# Altium PCB BEAGLEPLAYV020_220915.brd.PcbDoc (part 1 of 12) (continued)
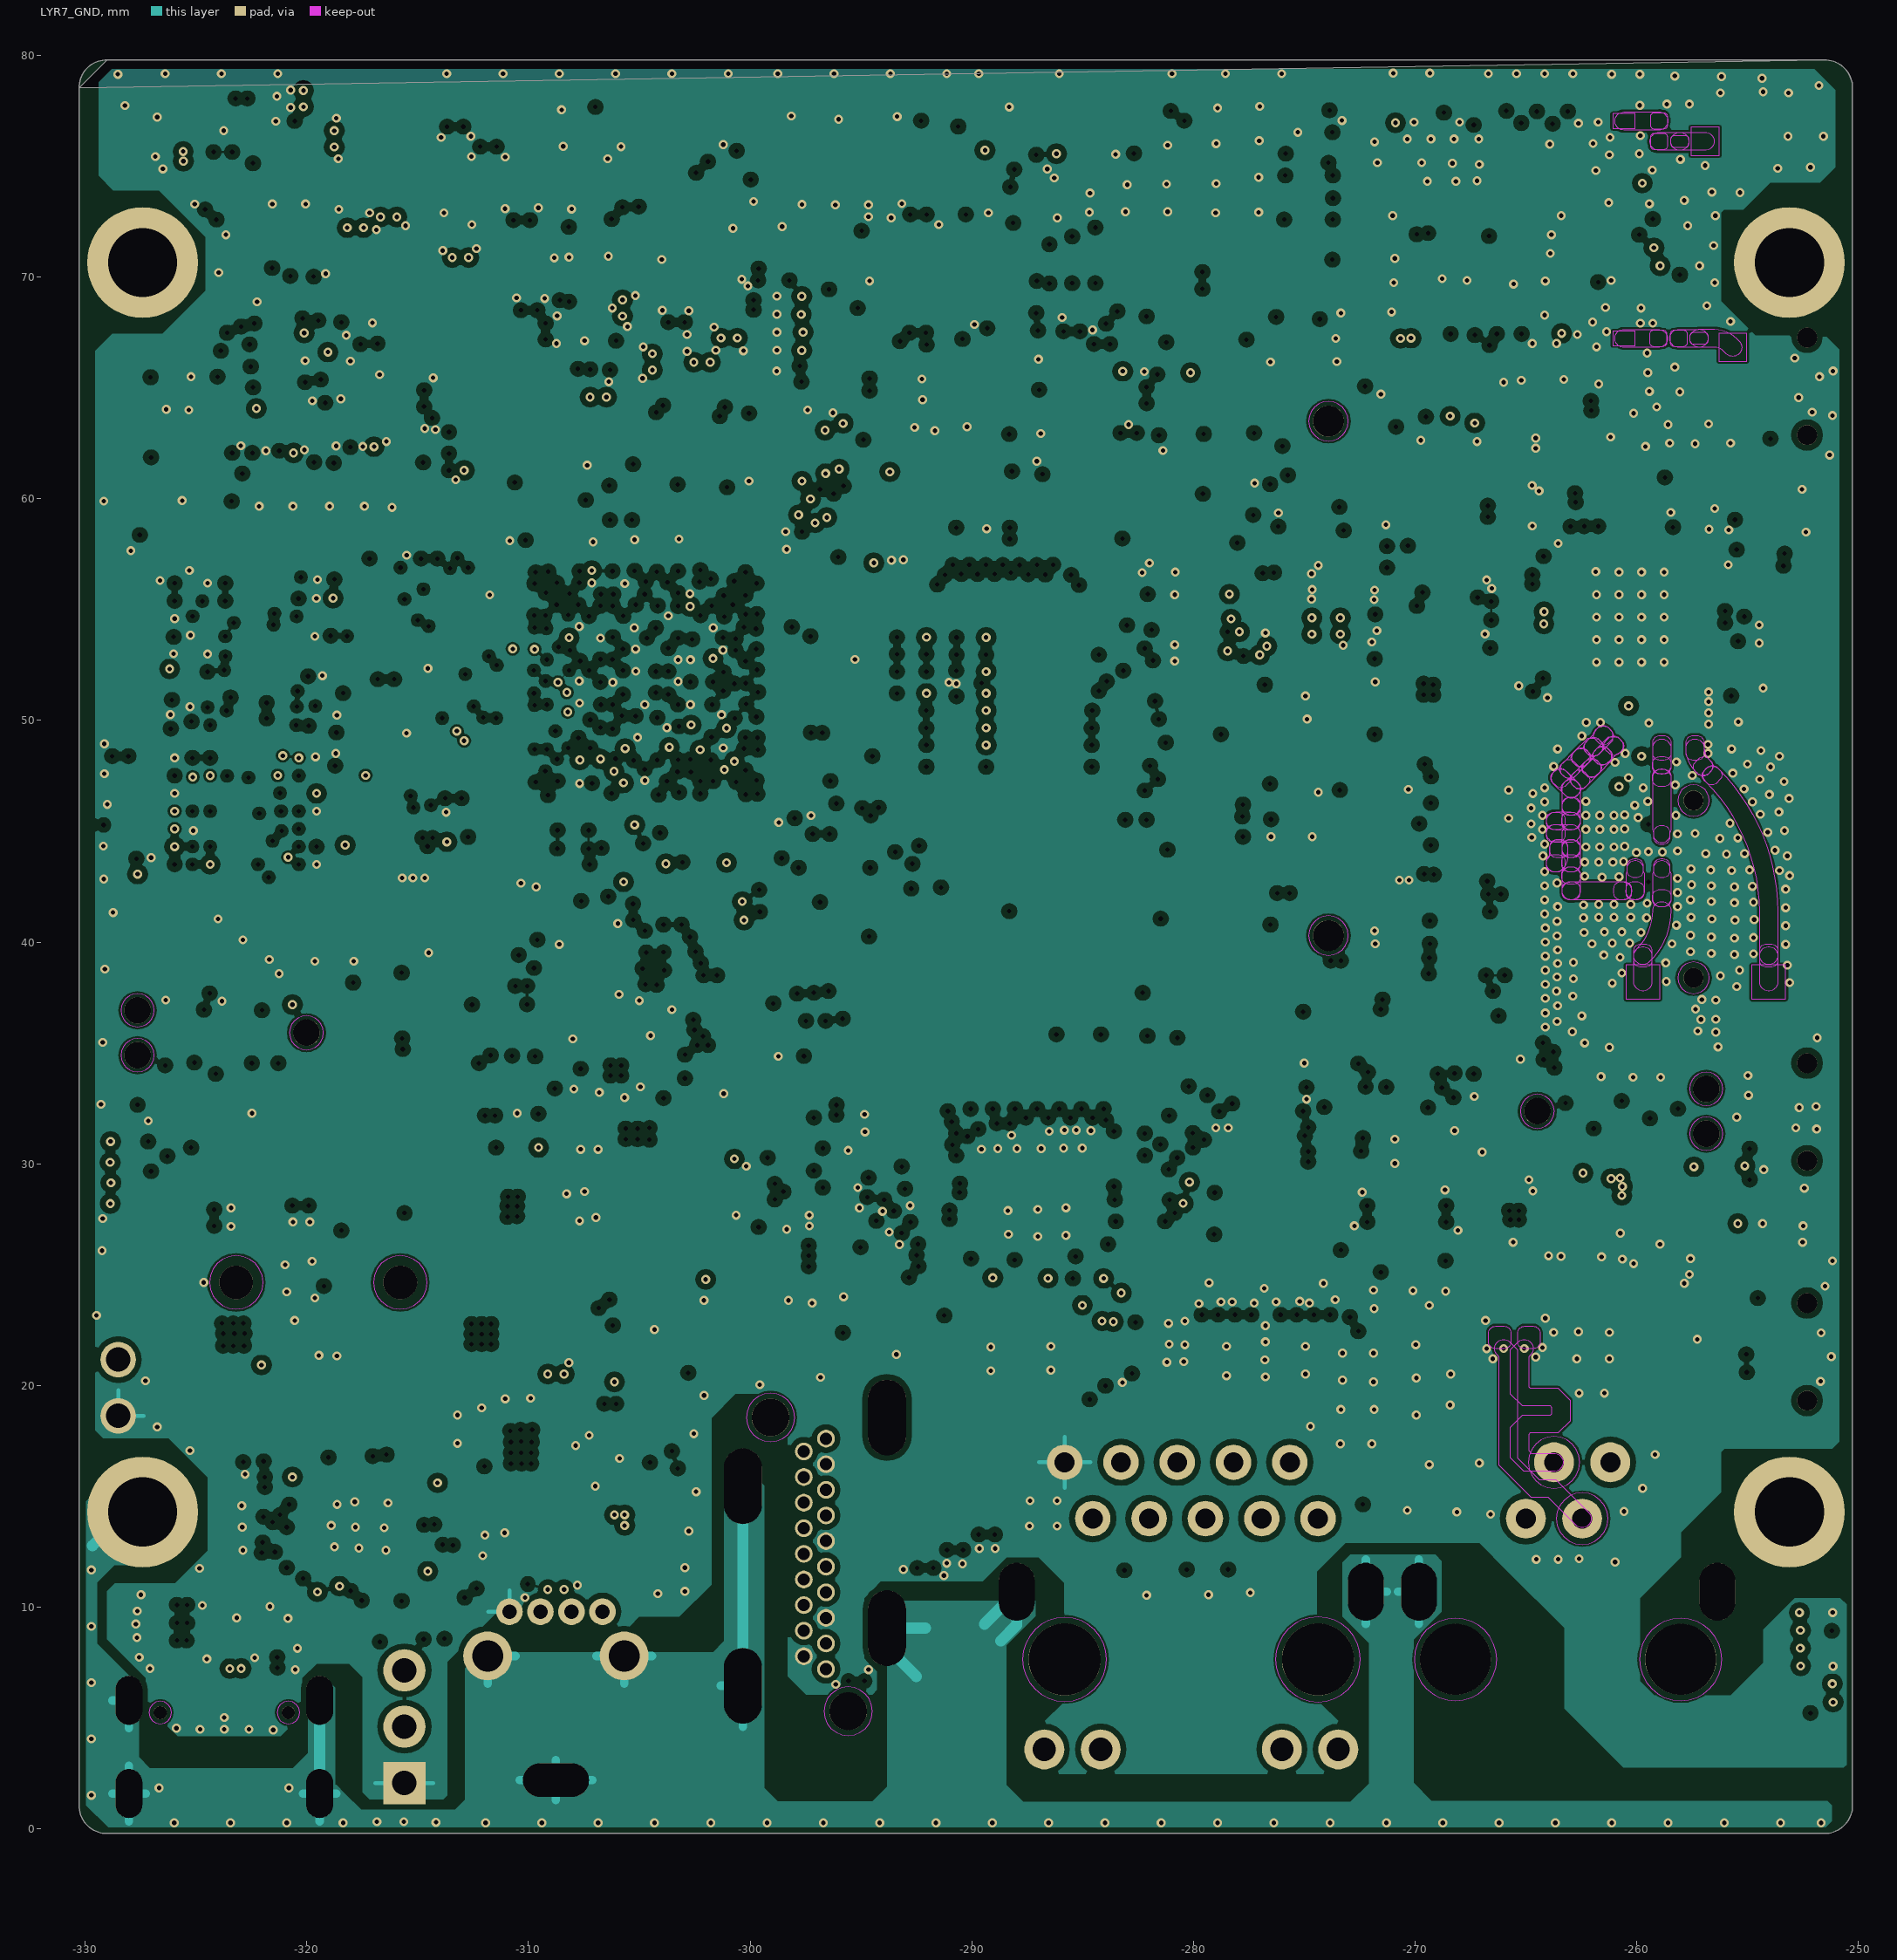
[diagram p7: LYR7_GND]

## Layer stack, top to bottom
Top Solder: solder mask 0.0102, Solder Resist, Dk 3.5
TOP: signal copper 0.0356
Dielectric 1: core 0.0762, FR-4, Dk 4.2
LYR2_GND: signal copper 0.0356
Dielectric2: core 0.0762, FR-4, Dk 4.2
LYR3: signal copper 0.0178
Dielectric3: core 0.4501, FR-4, Dk 4.2
LAY4_PWR1: signal copper 0.0305
Dielectric4: core 0.1016, FR-4, Dk 4.2
LAY5_PWR2: signal copper 0.0305
Dielectric5: core 0.4501, FR-4, Dk 4.2
LAY6: signal copper 0.0178
Dielectric6: core 0.0762, FR-4, Dk 4.2
LYR7_GND: signal copper 0.0356
Dielectric7: core 0.0762, FR-4, Dk 4.2
BOTTOM: signal copper 0.0356
Bottom Solder: solder mask 0.0102, Solder Resist, Dk 3.5

## Board outline
-251.544,79.799 -329.006,79.799 ccw(c-329.006,78.529) -329.006,79.799 -251.544,79.799 cw(c-251.544,78.529) -250.274,78.529 -250.274,1.067 cw(c-251.544,1.067) -251.544,-0.203 -329.006,-0.203 cw(c-329.006,1.067) -330.276,1.067 -330.276,78.529

## Design rules (kind name [scope] priority, off if disabled: settings)
Clearance "Clearance for 9 On Layer LYR7_GND" [OnLayer('LYR7_GND') And (InNetClass('DDR_ADDR') Or InNetClass('DDR_DATA')) vs IsArc Or IsTrack Or IsPad Or IsThruPin Or IsThruVia Or IsFill Or InPolygon Or IsRegion] p1: gap=0.254 ignorepadtopadclearanceinfootprint=FALSE except(0: Arc-Hole Track-Hole SMDPad-Hole THPad-Hole Via-Hole Fill-Hole Poly-Hole Region-Hole Text-Hole; 0.102: Arc-SMDPad Track-SMDPad)
Clearance "Clearance for 9 On Layer LAY6" [OnLayer('LAY6') And (InNetClass('DDR_ADDR') Or InNetClass('DDR_DATA')) vs IsArc Or IsTrack Or IsPad Or IsThruPin Or IsThruVia Or IsFill Or InPolygon Or IsRegion] p2: gap=0.254 ignorepadtopadclearanceinfootprint=FALSE except(0: Arc-Hole Track-Hole SMDPad-Hole THPad-Hole Via-Hole Fill-Hole Poly-Hole Region-Hole Text-Hole; 0.127: Arc-SMDPad Track-SMDPad)
Clearance "Clearance for 9 On Layer LAY5_PWR2" [OnLayer('LAY5_PWR2') And (InNetClass('DDR_ADDR') Or InNetClass('DDR_DATA')) vs IsArc Or IsTrack Or IsPad Or IsThruPin Or IsThruVia Or IsFill Or InPolygon Or IsRegion] p3: gap=0.254 ignorepadtopadclearanceinfootprint=FALSE except(0: Arc-Hole Track-Hole SMDPad-Hole THPad-Hole Via-Hole Fill-Hole Poly-Hole Region-Hole Text-Hole; 0.127: Arc-SMDPad Track-SMDPad)
Clearance "Clearance for 9 On Layer LAY4_PWR1" [OnLayer('LAY4_PWR1') And (InNetClass('DDR_ADDR') Or InNetClass('DDR_DATA')) vs IsArc Or IsTrack Or IsPad Or IsThruPin Or IsThruVia Or IsFill Or InPolygon Or IsRegion] p4: gap=0.254 ignorepadtopadclearanceinfootprint=FALSE except(0: Arc-Hole Track-Hole SMDPad-Hole THPad-Hole Via-Hole Fill-Hole Poly-Hole Region-Hole Text-Hole; 0.127: Arc-SMDPad Track-SMDPad)
Clearance "Clearance for 9 On Layer LYR3" [OnLayer('LYR3') And (InNetClass('DDR_ADDR') Or InNetClass('DDR_DATA')) vs IsArc Or IsTrack Or IsPad Or IsThruPin Or IsThruVia Or IsFill Or InPolygon Or IsRegion] p5: gap=0.254 ignorepadtopadclearanceinfootprint=FALSE except(0: Arc-Hole Track-Hole SMDPad-Hole THPad-Hole Via-Hole Fill-Hole Poly-Hole Region-Hole Text-Hole; 0.127: Arc-SMDPad Track-SMDPad)
Clearance "Clearance for 9 On Layer LYR2_GND" [OnLayer('LYR2_GND') And (InNetClass('DDR_ADDR') Or InNetClass('DDR_DATA')) vs IsArc Or IsTrack Or IsPad Or IsThruPin Or IsThruVia Or IsFill Or InPolygon Or IsRegion] p6: gap=0.254 ignorepadtopadclearanceinfootprint=FALSE except(0: Arc-Hole Track-Hole SMDPad-Hole THPad-Hole Via-Hole Fill-Hole Poly-Hole Region-Hole Text-Hole; 0.127: Arc-SMDPad Track-SMDPad)
Clearance "Clearance for 9 On Layer BOTTOM" [OnLayer('BOTTOM') And (InNetClass('DDR_ADDR') Or InNetClass('DDR_DATA')) vs IsArc Or IsTrack Or IsPad Or IsThruPin Or IsThruVia Or IsFill Or InPolygon Or IsRegion] p7: gap=0.254 ignorepadtopadclearanceinfootprint=FALSE except(0: Arc-Hole Track-Hole SMDPad-Hole THPad-Hole Via-Hole Fill-Hole Poly-Hole Region-Hole Text-Hole; 0.127: Arc-SMDPad Track-SMDPad)
Clearance "Clearance for 9 On Layer TOP" [OnLayer('TOP') And (InNetClass('DDR_ADDR') Or InNetClass('DDR_DATA')) vs IsArc Or IsTrack Or IsPad Or IsThruPin Or IsThruVia Or IsFill Or InPolygon Or IsRegion] p8: gap=0.254 ignorepadtopadclearanceinfootprint=FALSE except(0: Arc-Hole Track-Hole SMDPad-Hole THPad-Hole Via-Hole Fill-Hole Poly-Hole Region-Hole Text-Hole; 0.127: Arc-SMDPad Track-SMDPad)
Clearance "Clearance for 9" [InNetClass('DDR_ADDR') Or InNetClass('DDR_DATA') vs IsArc Or IsTrack Or IsPad Or IsThruPin Or IsThruVia Or IsFill Or InPolygon Or IsRegion] p9: gap=0.254 ignorepadtopadclearanceinfootprint=FALSE except(0: Text-Hole; 0.089: Arc-Via Track-Via; 0.102: SMDPad-SMDPad SMDPad-THPad SMDPad-Via SMDPad-Fill SMDPad-Poly SMDPad-Region THPad-THPad THPad-Via THPad-Fill THPad-Poly THPad-Region Via-Via Via-Fill Via-Poly Via-Region; 0.127: Arc-THPad Arc-Fill Arc-Poly Arc-Region Track-THPad Track-Fill Track-Poly Track-Region; 0.203: Arc-Hole Track-Hole SMDPad-Hole THPad-Hole Via-Hole Fill-Hole Poly-Hole Region-Hole Hole-Hole; 0.229: Arc-Arc Arc-Track Track-Track)
Clearance "Clearance for DEFAULT On Layer LYR7_GND" [OnLayer('LYR7_GND') And (InNetClass('CLK')) vs IsArc Or IsTrack Or IsPad Or IsThruPin Or IsThruVia Or IsFill Or InPolygon Or IsRegion] p10: gap=0.254 ignorepadtopadclearanceinfootprint=FALSE except(0: Arc-Hole Track-Hole SMDPad-Hole THPad-Hole Via-Hole Fill-Hole Poly-Hole Region-Hole Text-Hole; 0.114: Arc-THPad Track-THPad)
Clearance "Clearance for DEFAULT On Layer LAY6" [OnLayer('LAY6') And (InNetClass('CLK')) vs IsArc Or IsTrack Or IsPad Or IsThruPin Or IsThruVia Or IsFill Or InPolygon Or IsRegion] p11: gap=0.254 ignorepadtopadclearanceinfootprint=FALSE except(0: Arc-Hole Track-Hole SMDPad-Hole THPad-Hole Via-Hole Fill-Hole Poly-Hole Region-Hole Text-Hole; 0.127: Arc-THPad Track-THPad)
Clearance "Clearance for DEFAULT On Layer LAY5_PWR2" [OnLayer('LAY5_PWR2') And (InNetClass('CLK')) vs IsArc Or IsTrack Or IsPad Or IsThruPin Or IsThruVia Or IsFill Or InPolygon Or IsRegion] p12: gap=0.254 ignorepadtopadclearanceinfootprint=FALSE except(0: Arc-Hole Track-Hole SMDPad-Hole THPad-Hole Via-Hole Fill-Hole Poly-Hole Region-Hole Text-Hole; 0.127: Arc-THPad Track-THPad)
Clearance "Clearance for DEFAULT On Layer LAY4_PWR1" [OnLayer('LAY4_PWR1') And (InNetClass('CLK')) vs IsArc Or IsTrack Or IsPad Or IsThruPin Or IsThruVia Or IsFill Or InPolygon Or IsRegion] p13: gap=0.254 ignorepadtopadclearanceinfootprint=FALSE except(0: Arc-Hole Track-Hole SMDPad-Hole THPad-Hole Via-Hole Fill-Hole Poly-Hole Region-Hole Text-Hole; 0.127: Arc-THPad Track-THPad)
Clearance "Clearance for DEFAULT On Layer LYR3" [OnLayer('LYR3') And (InNetClass('CLK')) vs IsArc Or IsTrack Or IsPad Or IsThruPin Or IsThruVia Or IsFill Or InPolygon Or IsRegion] p14: gap=0.254 ignorepadtopadclearanceinfootprint=FALSE except(0: Arc-Hole Track-Hole SMDPad-Hole THPad-Hole Via-Hole Fill-Hole Poly-Hole Region-Hole Text-Hole; 0.127: Arc-THPad Track-THPad)
Clearance "Clearance for DEFAULT On Layer LYR2_GND" [OnLayer('LYR2_GND') And (InNetClass('CLK')) vs IsArc Or IsTrack Or IsPad Or IsThruPin Or IsThruVia Or IsFill Or InPolygon Or IsRegion] p15: gap=0.254 ignorepadtopadclearanceinfootprint=FALSE except(0: Arc-Hole Track-Hole SMDPad-Hole THPad-Hole Via-Hole Fill-Hole Poly-Hole Region-Hole Text-Hole; 0.127: Arc-THPad Track-THPad)
Clearance "Clearance for DEFAULT On Layer BOTTOM" [OnLayer('BOTTOM') And (InNetClass('CLK')) vs IsArc Or IsTrack Or IsPad Or IsThruPin Or IsThruVia Or IsFill Or InPolygon Or IsRegion] p16: gap=0.254 ignorepadtopadclearanceinfootprint=FALSE except(0: Arc-Hole Track-Hole SMDPad-Hole THPad-Hole Via-Hole Fill-Hole Poly-Hole Region-Hole Text-Hole; 0.127: Arc-THPad Track-THPad)
Clearance "Clearance for DEFAULT On Layer TOP" [OnLayer('TOP') And (InNetClass('CLK')) vs IsArc Or IsTrack Or IsPad Or IsThruPin Or IsThruVia Or IsFill Or InPolygon Or IsRegion] p17: gap=0.254 ignorepadtopadclearanceinfootprint=FALSE except(0: Arc-Hole Track-Hole SMDPad-Hole THPad-Hole Via-Hole Fill-Hole Poly-Hole Region-Hole Text-Hole; 0.127: Arc-THPad Track-THPad)
Clearance "Clearance for DEFAULT" [InNetClass('CLK') vs IsArc Or IsTrack Or IsPad Or IsThruPin Or IsThruVia Or IsFill Or InPolygon Or IsRegion] p18: gap=0.254 ignorepadtopadclearanceinfootprint=FALSE except(0: Text-Hole; 0.102: Arc-Arc Arc-Track Track-Track SMDPad-SMDPad SMDPad-THPad SMDPad-Via SMDPad-Fill SMDPad-Poly SMDPad-Region THPad-THPad THPad-Via THPad-Fill THPad-Poly THPad-Region Via-Via Via-Fill Via-Poly Via-Region; 0.127: Arc-SMDPad Track-SMDPad; 0.203: Arc-Hole Track-Hole SMDPad-Hole THPad-Hole Via-Hole Fill-Hole Poly-Hole Region-Hole Hole-Hole)
Clearance "Clearance (Same Net) On Layer LYR7_GND" [OnLayer('LYR7_GND')] p19: gap=0.254 ignorepadtopadclearanceinfootprint=FALSE except(0: Arc-Hole Track-Hole SMDPad-Hole THPad-Hole Via-Hole Fill-Hole Poly-Hole Region-Hole Text-Hole; 0.102: Fill-Poly Fill-Region Poly-Region)
Clearance "Clearance (Same Net) On Layer LAY6" [OnLayer('LAY6')] p20: gap=0.254 ignorepadtopadclearanceinfootprint=FALSE except(0: Arc-Hole Track-Hole SMDPad-Hole THPad-Hole Via-Hole Fill-Hole Poly-Hole Region-Hole Text-Hole)
Clearance "Clearance (Same Net) On Layer LAY5_PWR2" [OnLayer('LAY5_PWR2')] p21: gap=0.254 ignorepadtopadclearanceinfootprint=FALSE except(0: Arc-Hole Track-Hole SMDPad-Hole THPad-Hole Via-Hole Fill-Hole Poly-Hole Region-Hole Text-Hole; 0.102: Fill-Poly Fill-Region Poly-Region)
Clearance "Clearance (Same Net) On Layer LAY4_PWR1" [OnLayer('LAY4_PWR1')] p22: gap=0.254 ignorepadtopadclearanceinfootprint=FALSE except(0: Arc-Hole Track-Hole SMDPad-Hole THPad-Hole Via-Hole Fill-Hole Poly-Hole Region-Hole Text-Hole)
Clearance "Clearance (Same Net) On Layer LYR3" [OnLayer('LYR3')] p23: gap=0.254 ignorepadtopadclearanceinfootprint=FALSE except(0: Arc-Hole Track-Hole SMDPad-Hole THPad-Hole Via-Hole Fill-Hole Poly-Hole Region-Hole Text-Hole)
Clearance "Clearance (Same Net) On Layer LYR2_GND" [OnLayer('LYR2_GND')] p24: gap=0.254 ignorepadtopadclearanceinfootprint=FALSE except(0: Arc-Hole Track-Hole SMDPad-Hole THPad-Hole Via-Hole Fill-Hole Poly-Hole Region-Hole Text-Hole; 0.102: Fill-Poly Fill-Region Poly-Region)
Clearance "Clearance (Same Net) On Layer BOTTOM" [OnLayer('BOTTOM')] p25: gap=0.254 ignorepadtopadclearanceinfootprint=FALSE except(0: Arc-Hole Track-Hole SMDPad-Hole THPad-Hole Via-Hole Fill-Hole Poly-Hole Region-Hole Text-Hole)
Clearance "Clearance (Same Net) On Layer TOP" [OnLayer('TOP')] p26: gap=0.254 ignorepadtopadclearanceinfootprint=FALSE except(0: Arc-Hole Track-Hole SMDPad-Hole THPad-Hole Via-Hole Fill-Hole Poly-Hole Region-Hole Text-Hole; 0.102: Fill-Poly Fill-Region Poly-Region)
Clearance "Clearance (Same Net)" [All] p27: gap=0.102 ignorepadtopadclearanceinfootprint=FALSE except(0: Text-Hole; 0.089: Arc-Via Track-Via; 0.127: Arc-SMDPad Arc-THPad Arc-Fill Arc-Poly Arc-Region Arc-Hole Track-SMDPad Track-THPad Track-Fill Track-Poly Track-Region Track-Hole SMDPad-Hole THPad-Hole Via-Hole Hole-Hole; 0.254: Arc-Text Track-Text SMDPad-Text THPad-Text Via-Text Fill-Fill Fill-Poly Fill-Region Fill-Text Poly-Poly Poly-Region Poly-Text Region-Region Region-Text Text-Text)
Clearance "Clearance On Layer LYR7_GND" [OnLayer('LYR7_GND')] p28: gap=0.254 ignorepadtopadclearanceinfootprint=FALSE except(0: Arc-Hole Track-Hole SMDPad-Hole THPad-Hole Via-Hole Fill-Hole Poly-Hole Region-Hole Text-Hole; 0.114: Arc-THPad Track-THPad)
Clearance "Clearance On Layer LAY6" [OnLayer('LAY6')] p29: gap=0.254 ignorepadtopadclearanceinfootprint=FALSE except(0: Arc-Hole Track-Hole SMDPad-Hole THPad-Hole Via-Hole Fill-Hole Poly-Hole Region-Hole Text-Hole; 0.127: Arc-THPad Track-THPad)
Clearance "Clearance On Layer LAY5_PWR2" [OnLayer('LAY5_PWR2')] p30: gap=0.254 ignorepadtopadclearanceinfootprint=FALSE except(0: Arc-Hole Track-Hole SMDPad-Hole THPad-Hole Via-Hole Fill-Hole Poly-Hole Region-Hole Text-Hole; 0.127: Arc-THPad Track-THPad)
Clearance "Clearance On Layer LAY4_PWR1" [OnLayer('LAY4_PWR1')] p31: gap=0.254 ignorepadtopadclearanceinfootprint=FALSE except(0: Arc-Hole Track-Hole SMDPad-Hole THPad-Hole Via-Hole Fill-Hole Poly-Hole Region-Hole Text-Hole; 0.127: Arc-THPad Track-THPad)
Clearance "Clearance On Layer LYR3" [OnLayer('LYR3')] p32: gap=0.254 ignorepadtopadclearanceinfootprint=FALSE except(0: Arc-Hole Track-Hole SMDPad-Hole THPad-Hole Via-Hole Fill-Hole Poly-Hole Region-Hole Text-Hole; 0.127: Arc-THPad Track-THPad)
Clearance "Clearance On Layer LYR2_GND" [OnLayer('LYR2_GND')] p33: gap=0.254 ignorepadtopadclearanceinfootprint=FALSE except(0: Arc-Hole Track-Hole SMDPad-Hole THPad-Hole Via-Hole Fill-Hole Poly-Hole Region-Hole Text-Hole; 0.127: Arc-THPad Track-THPad)
Clearance "Clearance On Layer BOTTOM" [OnLayer('BOTTOM')] p34: gap=0.254 ignorepadtopadclearanceinfootprint=FALSE except(0: Arc-Hole Track-Hole SMDPad-Hole THPad-Hole Via-Hole Fill-Hole Poly-Hole Region-Hole Text-Hole; 0.127: Arc-THPad Track-THPad)
Clearance "Clearance On Layer TOP" [OnLayer('TOP')] p35: gap=0.254 ignorepadtopadclearanceinfootprint=FALSE except(0: Arc-Hole Track-Hole SMDPad-Hole THPad-Hole Via-Hole Fill-Hole Poly-Hole Region-Hole Text-Hole; 0.127: Arc-THPad Track-THPad)
Clearance [All] p36: gap=0.254 ignorepadtopadclearanceinfootprint=FALSE except(0: Text-Hole; 0.102: Arc-Arc Arc-Track Track-Track SMDPad-SMDPad SMDPad-THPad SMDPad-Via SMDPad-Fill SMDPad-Poly SMDPad-Region THPad-THPad THPad-Via THPad-Fill THPad-Poly THPad-Region Via-Via Via-Fill Via-Poly Via-Region; 0.127: Arc-SMDPad Track-SMDPad; 0.203: Arc-Hole Track-Hole SMDPad-Hole THPad-Hole Via-Hole Fill-Hole Poly-Hole Region-Hole Hole-Hole)
DiffPairsRouting [All] p1: maxlimit=0.254 minlimit=0.254 mostfreqgap=0.254 toplayer_minwidth=0.381 toplayer_maxwidth=0.381 toplayer_prefwidth=0.381 midlayer1_minwidth=0.381 midlayer1_maxwidth=0.381 midlayer1_prefwidth=0.381 midlayer2_minwidth=0.381 midlayer2_maxwidth=0.381 midlayer2_prefwidth=0.381 midlayer3_minwidth=0.381 midlayer3_maxwidth=0.381 midlayer3_prefwidth=0.381 midlayer4_minwidth=0.381 midlayer4_maxwidth=0.381 midlayer4_prefwidth=0.381 midlayer5_minwidth=0.381 midlayer5_maxwidth=0.381 midlayer5_prefwidth=0.381 midlayer6_minwidth=0.381 midlayer6_maxwidth=0.381 midlayer6_prefwidth=0.381 bottomlayer_minwidth=0.381 bottomlayer_maxwidth=0.381 bottomlayer_prefwidth=0.381 maxuncoupledlength=12.7
PlaneConnect [All] p1: planeconnectstyle=Direct reliefexpansion=0.508 reliefentries=4 reliefconductorwidth=0.254 reliefairgap=0.254
PolygonConnect [All] p1: connectstyle=Direct reliefconductorwidth=0.254 reliefentries=4 polygonreliefangle="90 Angle" airgapwidth=0.254
RoutingVias [All] p1: holewidth=0.711 width=1.27 viastyle="Through Hole" minholewidth=0.711 minwidth=1.27 maxholewidth=0.711 maxwidth=1.27
SolderMaskExpansion [All] p1: expansion=0.102 istentingtop=FALSE
Width [All] p1: maxlimit=0.254 minlimit=0.254 preferedwidth=0.254 impedanceprofiledriven=TRUE minimp=5.690000 maximp=36.140000 favimp=3.860000
28 further rules are at their usual default settings.

## Classes and differential pairs
net class CLS_SD: SD_CMD SD_D0 SD_D1 SD_D2 SD_D3
net class POWER: GND HDMI_AVCC PWR_BTN VOUT0_D3 VOUT0_D4 VOUT0_D9 VOUT0_D10 VOUT0_D14 VOUT0_D15
net class DDR_DATA: DDR_DQ0 DDR_DQ1 DDR_DQ2 DDR_DQ3 DDR_DQ4 DDR_DQ5 DDR_DQ6 DDR_DQ7 DDR_DQ8 DDR_DQ9 DDR_DQ10 DDR_DQ11 DDR_DQ12 DDR_DQ13 DDR_DQ14 DDR_DQ15 DDR_LDM DDR_UDM
net class DDR_ADDR: DDR_A0 DDR_A1 DDR_A2 DDR_A3 DDR_A4 DDR_A5 DDR_A6 DDR_A7 DDR_A8 DDR_A9 DDR_A10 DDR_A11 DDR_A12 DDR_A13 DDR_A14_WEN DDR_A15_CAS DDR_A16_RAS DDR_ACTN DDR_ALERTN DDR_BA0 DDR_BA1 DDR_BG0 DDR_CKE DDR_CSN DDR_ODT DDR_PARITY DDR_RESET# DDR_TEN
differential pair USB1_DP: +USB1_DM -USB1_DP
differential pair USB0_DP: +USB0_DM -USB0_DP
differential pair USB_C_DP: +USB_C_DM -USB_C_DP
differential pair USB_A_DP: +USB_A_DM -USB_A_DP
differential pair DP_RX: +TX_N -TX_P
differential pair DP_RX: +RX_P -TX_N
differential pair DP_RX: +RX_N -RX_P
differential pair PSE_P: +PSE_N -PSE_P
differential pair OLDI0_CLK1: +OLDI0_CLK1_N -OLDI0_CLK1_P
differential pair OLDI0_CLK0: +OLDI0_CLK0_N -OLDI0_CLK0_P
differential pair OLDI0_A4: +OLDI0_A4_N -OLDI0_A4_P
differential pair E_LVDS_0_P: +OLDI0_A3_N -OLDI0_A3_P
differential pair OLDI0_A2: +OLDI0_A2_N -OLDI0_A2_P
differential pair OLDI0_A1: +OLDI0_A1_N -OLDI0_A1_P
differential pair OLDI0_A0: +OLDI0_A0_N -OLDI0_A0_P
differential pair OLDI0_CLK1: +N17355524 -OLDI0_CLK1_N
differential pair OLDI0_CLK1: +N17355497 -N17355524
differential pair OLDI0_CLK0: +N17355388 -OLDI0_CLK0_N
differential pair OLDI0_CLK0: +N17355379 -N17355388
differential pair DP_RX: +N15942332 -RX_N
differential pair DP_RX: +N15942320 -N15942332
differential pair DP_RX: +N15942316 -N15942320
differential pair DP_RX: +N15942312 -N15942316
differential pair DP_RX: +N15942117 -N15942312
differential pair DP_RX: +N15942115 -N15942117
differential pair DP_RX: +N15941883 -N15942115
differential pair DP_RX: +N15941871 -N15941883
differential pair DP_RX: +N15941865 -N15941871
differential pair DP_RX: +N15941863 -N15941865
differential pair MDI3: +MDI3- -MDI3+
differential pair MDI2: +MDI2- -MDI2+
differential pair MDI1: +MDI1- -MDI1+
differential pair MDI0: +MDI0- -MDI0+
differential pair HDMI_TXC: +HDMI_TXC- -HDMI_TXC+
differential pair HDMI_TX2: +HDMI_TX2- -HDMI_TX2+
differential pair HDMI_TX1: +HDMI_TX1- -HDMI_TX1+
differential pair HDMI_TX0: +HDMI_TX0- -HDMI_TX0+
differential pair DDR_UDQS: +DDR_UDQS_N -DDR_UDQS_P
differential pair DDR_LDQS: +DDR_LDQS_N -DDR_LDQS_P
differential pair DDR_CLK: +DDR_CLKN -DDR_CLKP
differential pair CAM_D3_P: +CAM_D3_N -CAM_D3_P
differential pair CAM_D2_P: +CAM_D2_N -CAM_D2_P
differential pair CAM_D1_P: +CAM_D1_N -CAM_D1_P
differential pair CAM_D0_P: +CAM_D0_N -CAM_D0_P
differential pair CAM_CK_P: +CAM_CK_N -CAM_CK_P
